# Altium PCB Copy of GameBoard_V1I1_083018.PcbDoc (part 12 of 21) (continued)
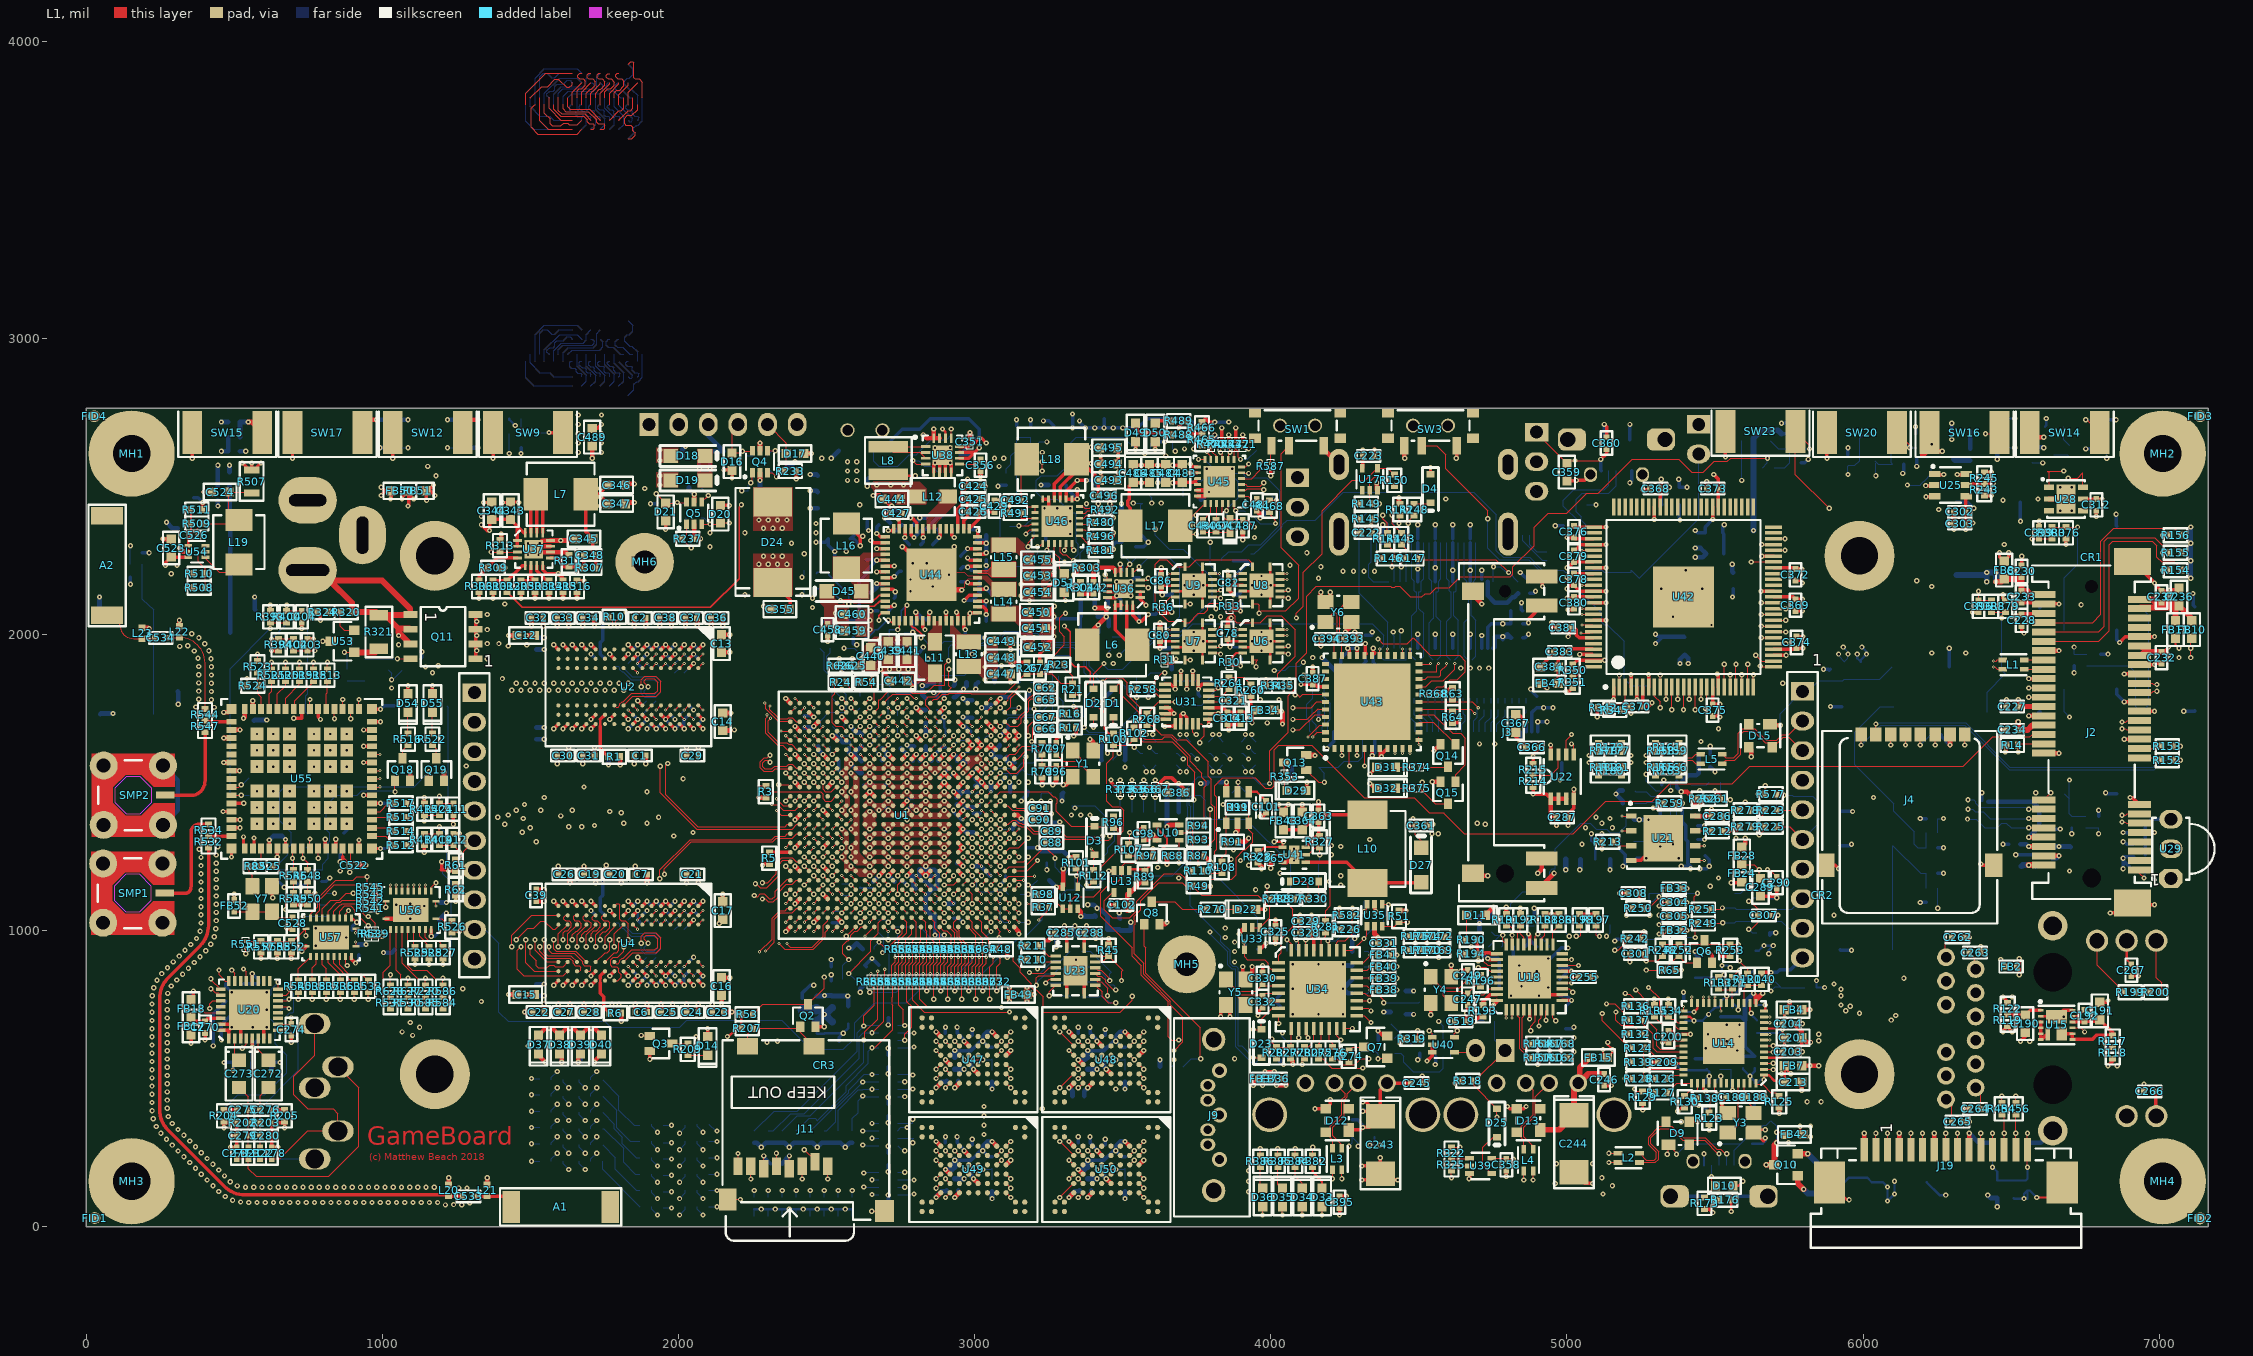
[diagram p0: L1 view]
## Nets (pads, with @x,y where several pads share a name; then routed paths per layer and width w, separated by ;. In a path a pad name is that pad's centre, name@x,y a point inside that pad or via, vN(x,y) a via of type N, cw(c..) or ccw(c..) an arc to the next point about the centre after c; other vN are vias at no path point) (continued)
  L10 w3.66: 1716.54,1196.85 1681.1,1161.42 1681.1,1149.61 1688.98,1141.73 1688.98,1125.99 1677.17,1114.17 1665.36,1114.17 1657.48,1106.3 1657.48,1090.55 1665.36,1082.68 1673.23,1082.68 1680.68,1075.22 1680.68,1043.31 1720.47,1003.52 v2(1720.47,944.88)
  L10 w3.94: 1716.54,1196.85 1716.54,1232.28 1723.86,1239.61 1735.67,1239.61 1744.09,1248.03 1744.09,1263.78 1751.97,1271.65 1771.65,1271.65 1779.53,1279.53 1779.53,1303.15 1787.4,1311.02 1807.09,1311.02 1818.9,1322.83 1818.9,1334.65 1796.64,1356.91 1796.64,1367.5 1807.09,1377.95 v2(1807.09,1397.64)
  L2 w3.94: v3(2456.69,1311.02) v4(2468.5,1299.21)
  other v2: 1720.47,1811.02
DRVSTR: R342.2 R345.2 U42.3 | length 113.3
  L1 w3.94: R345.2@5141.73,1744.09 5141.73,1746.06 5160.43,1764.76 5182.09,1764.76 5196.85,1779.53 U42.3@5196.85,1821.85
DSEL: R471.1 TP46.1 U45.24 | length 345.3
  L1 w3.94: U45.24@3875.98,2440.94 3875.98,2423.23 v1(3881.89,2417.32) ; R471.1@3905.51,2631.3 3910.83,2625.98 v1(3925.2,2625.98)
  L10 w3.94: v1(3881.89,2417.32) 3881.89,2464.57 3850.39,2496.06 3850.39,2570.87 3905.51,2625.98 v1(3925.2,2625.98)
  L12 w3.94: v1(3881.89,2417.32) 3909.45,2417.32 TP46.1@3913.39,2413.39
EEPROM_WP: R214.1 R215.1 U22.7 | length 140.9
  L1 w3.94: R214.1@4885.83,1523.62 4944.88,1523.62 4971.46,1550.2 U22.7@4971.46,1594.49
EN_1V8WIFI: R508.2 R510.2 U54.5 | length 152.4
  L1 w3.94: R508.2@401.58,2157.48 R510.2@401.58,2204.72 401.58,2220.47 377.95,2244.09 377.95,2271.65 385.83,2279.53 U54.5@403.15,2279.53
EN_1V375: R299.1 R301.1 U36.5 | length 623
  L1 w3.94: U36.5@3531.5,2204.72 v1(3555.12,2228.35)
  L12 w3.94: R301.1@3464.57,1992.13 R299.1@3511.81,1992.13 3576.77,1992.13 3608.27,2023.62 3657.48,2023.62 3692.91,2059.06 3692.91,2223.22 3656.96,2259.17 3585.94,2259.17 v1(3555.12,2228.35) v1@3559.06,2228.35
EN_3V3_HDR: R310.2 R312.1 U37.5 | length 129.3
  L1 w11.81: R310.2@1374.02,2181.1 R312.1@1421.26,2181.1 1472.05,2231.89 U37.5@1482.28,2231.89
ENET_LED_LINK: J8.13 R120.2 | length 2028.3
  L1 w3.66: v1(5582.68,897.64) 5582.68,896.64 5610.24,869.08 R120.2@5610.24,854.33
  L10 w3.66: v1(5582.68,897.64) 5566.93,881.89 5566.93,838.58 5590.55,814.96 5590.55,743.97 5607.42,727.1 5607.42,714.41 5618.11,703.73 5618.11,644.6 5590.83,617.32 5590.83,555.39 5574.8,539.37 5564.06,539.37 5559.61,534.92 5559.61,495.51 5720.47,334.65 5745.09,334.65 5827.62,252.12 5827.62,248.25 5835.44,240.43 5854.06,240.43 5877.95,216.54 6733.28,216.54 J8.13@6890.04,373.29
ENET_LED_RX: R121.2 R199.2 R200.2 | length 2570
  L1 w3.66: R121.2@5559.06,842.52 v1(5582.68,866.14) ; R199.2@6921.26,791.34 v1(6944.88,791.34) R200.2@6968.5,791.34
  L10 w3.66: v1(5582.68,866.14) 5649.61,799.21 5649.61,796.27 5646.79,793.46 5646.79,761.66 5649.61,758.84 5649.61,665.35 5598.43,614.17 5598.43,547.8 5574.8,524.17 5574.8,500 5606.3,468.5 5618.11,468.5 5650.73,435.89 5650.73,434.89 5663.23,422.38 5664.23,422.38 5701.91,384.7 5701.91,375.83 5710.48,367.26 5723.22,367.26 5835.22,255.27 5835.22,251.4 5838.58,248.03 6724.41,248.03 6807.09,330.71 6807.09,523.62 6704.72,625.98 6704.72,688.98 6807.09,791.34 v1(6944.88,791.34)
ENET_LED_RX_G: J8.17 R200.1 | length 181.3
  L1 w3.66: J8.17@6990.04,965.29 6990.04,840.67 7007.87,822.83 R200.1@7007.87,791.34
ENET_LED_RX_O: J8.15 R199.1 | length 212
  L1 w3.66: J8.15@6790.04,965.29 6790.04,883.19 R199.1@6881.89,791.34
ENET_REF_CLK: R123.2 U1.V22 | length 4370.6
  L1 w3.66: v2(2582.68,1090.55) U1.V22@2598.43,1106.3
  L1 w3.94: v1(5480.31,326.77) R123.2@5480.31,346.46 5480.31,350.39 R123.2@5484.25,354.33
  L3 w3.94: v2(2582.68,1090.55) 2582.68,1098.31 2589.57,1105.2 2589.57,1108.06 2597.44,1115.93 2597.44,1116.1 2610.24,1128.89 2610.24,1147.58 2622.05,1159.39 2622.05,1182.3 2639.55,1199.8 2649.82,1199.8 2660.43,1210.42 2660.43,1220.68 2704.51,1264.76 2714.78,1264.76 2732.28,1282.27 2732.28,1311.02 ; 2732.28,1311.02 2756.89,1335.63 2756.89,1348.64 2767.51,1359.25 2809.26,1359.25 2830.92,1380.91 2848.54,1380.91 2866,1398.37 2866,1470.33 2878.94,1483.27 2903.75,1483.27 2906.11,1480.91 2913.98,1480.91 2947.84,1514.76 3030.51,1514.76 3039.37,1523.62 3039.37,1536.63 3049.99,1547.24 3094.49,1547.24 3110.24,1531.5 3152.84,1531.5 3160.71,1523.62 3199.44,1523.62 3207.31,1515.75 3328.53,1515.75 3379.71,1464.57 3413.95,1464.57 3429.42,1449.09 3449.09,1449.09 3496.61,1401.57 3692.91,1401.57 3723.43,1371.06 3843.2,1371.06 3855.01,1382.87 3946.64,1382.87 3958.45,1371.06 3970.68,1371.06 3982.77,1383.15 4062.6,1383.15 4071.46,1374.29 4412.39,1374.29 4439.67,1401.57 4543.31,1401.57 4629.92,1314.96 4830.71,1314.96 4846.46,1330.71 5039.37,1330.71 5048.23,1339.57 5048.23,1352.57 5056.88,1361.22 5069.11,1361.22 5083.87,1346.46 v1(5153.54,1346.46)
  L10 w3.94: v1(5153.54,1346.46) 5153.54,1228.86 5168.31,1214.1 5168.31,1210.84 5186.23,1192.91 5319.57,1192.91 5343.2,1169.29 5358.27,1169.29 5358.27,783.98 5365.16,777.09 5365.16,758.34 5358.27,751.45 5358.27,617.44 5401.97,573.73 5401.97,567.21 5397.36,562.6 5397.36,561.92 5418.95,540.33 5418.95,517.38 5444.21,492.13 5468.5,492.13 5479.33,481.3 5479.33,447.62 5472.44,440.74 5472.44,343.71 5484.25,331.9 5480.31,327.97 v1(5480.31,326.77)
ENET_REF_CLK_R: R123.1 R138.2 U14.41 | length 97.1
  L1 w3.94: R123.1@5484.25,393.7 5484.25,437.01 5500,452.76 U14.41@5500,484.25
ETH_ISET: R125.1 U14.48 | length 96.7
  L1 w3.94: U14.48@5637.8,484.25 5641.73,480.32 5661.42,480.32 5688.98,452.76 5704.72,452.76 R125.1@5716.54,440.94
ETH_OSCI_25MHz: C188.1 U14.46 Y3.3 | length 109.5
  L1 w3.94: U14.46@5598.43,484.25 5598.43,460.63 5606.3,452.76 5606.3,440.94 5606.3,425.2 5629.92,401.57 Y3.3@5629.92,387.8
ETH_OSCO_25MHz: C189.1 U14.45 Y3.1 | length 186.1
  L1 w3.94: Y3.1@5543.31,320.87 5557.09,320.87 5578.74,342.52 C189.1@5578.74,437.01 5578.74,456.69 U14.45@5578.74,484.25
F_VIN: C363.1 C364.1 FB43.1 L10.1 R327.2 U41.6 | length 416
  L1 w11.81: FB43.1@4043.31,1340.55 C364.1@4106.3,1340.55 4131.89,1366.14 C363.1@4161.42,1366.14 ; U41.6@4117.91,1281.5 4155.32,1318.9 R327.2@4165.35,1318.9 4161.42,1322.83 C363.1@4161.42,1366.14 ; L10.1@4326.77,1390.59 4185.87,1390.59 C363.1@4161.42,1366.14
FB_1V8WIFI: C526.2 R509.1 R511.2 U54.1 | length 126
  L1 w7.87: U54.1@344.88,2299.21 344.88,2325.2 C526.2@354.33,2334.65 R509.1@354.33,2374.02 R511.2@354.33,2421.26
FB_1V375: C341.1 R296.1 R300.2 U36.9 | length 157.9
  L1 w3.94: v1(3440.94,2200.79) 3448.43,2193.31 U36.9@3448.43,2183.07
  L12 w3.94: R300.2@3358.27,2157.48 C341.1@3448.82,2157.48 3440.94,2165.35 v1(3440.94,2200.79)
FB_3V3_HDR: C348.1 R307.1 R311.2 U37.9 | length 170.9
  L1 w11.81: U37.9@1567.32,2257.87 1584.65,2257.87 1614.17,2228.35 R311.2@1629.92,2228.35 1677.17,2228.35 R307.1@1681.1,2224.41 C348.1@1681.1,2267.72
FIL_HP_OUTL: C278.1 FB22.2 J10.2 J10.4 | length 806.2
  L1 w3.94: FB22.2@587.52,228.5 653.7,228.5 748.03,322.83 J10.2@850.39,322.83 850.39,381.89 834.65,397.64 748.03,397.64 700.79,444.88 700.79,507.87 771.65,578.74 J10.4@771.65,685.04
FIL_HP_OUTR: C277.1 FB21.2 J10.3 | length 795.5
  L1 w3.94: C277.1@508.78,228.5 FB21.2@548.15,228.5 548.15,195.94 574.8,169.29 818.9,169.29 921.26,271.65 921.26,468.5 J10.3@850.39,539.37
FIL_MIC_IN: C283.1 FB23.2 J10.1 | length 263.8
  L12 w3.94: C283.1@507.87,228.35 FB23.2@547.24,228.35 J10.1@771.65,228.35
FLASH_ALE: U1.A16 U47.C4 U48.C4 U49.C4 U50.C4 | length 2619.3
  L1 w3.66: U49.C4@3106.3,240.16 v2(3122.05,255.91) ; U47.C4@3106.3,610.24 v2(3122.05,625.98) ; U1.A16@3133.86,1295.28 v2(3149.61,1311.02) ; U50.C4@3555.12,240.16 v2(3570.87,255.91) ; U48.C4@3555.12,610.24 v2(3570.87,625.98)
  L3 w3.66: v2(3122.05,255.91) 3201.06,334.92 3502.6,334.92 3555.12,282.4 3555.12,271.65 v2(3570.87,255.91) ; v2(3122.05,625.98) 3201.06,705 3502.6,705 3555.12,652.48 3555.12,641.73 v2(3570.87,625.98)
  L10 w3.66: v2(3122.05,255.91) 3196.85,330.71 3196.85,578.74 3149.61,625.98 v2(3122.05,625.98) ; v2(3149.61,1311.02) 3164.23,1296.4 3187.16,1296.4 3192.72,1301.95 3192.78,1301.89 3200.25,1309.35 3224.95,1309.35 3238.47,1295.83 3326.96,1295.83 3415.33,1207.45 3415.33,1185.29 3503.94,1096.68 3503.94,1007.87 3518.29,993.52 3518.29,783.76 3517.99,783.46 3517.99,771.35 3530.1,759.24 3530.1,646.13 3523.62,639.65 3523.62,621.05 3533.31,611.36 3554,611.36 3554,619.93 3560.05,625.98 v2(3570.87,625.98)
FLASH_CLE: U1.C15 U47.D5 U48.D5 U49.D5 U50.D5 | length 2857.6
  L1 w3.66: U1.C15@3070.87,1326.77 v2(3086.61,1311.02) ; U49.D5@3074.8,208.66 v2(3090.55,224.41) ; U47.D5@3074.8,578.74 v2(3090.55,594.49) ; U50.D5@3523.62,208.66 v2(3539.37,224.41) ; U48.D5@3523.62,578.74 v2(3539.37,562.99)
  L3 w3.66: v2(3090.55,224.41) 3105.18,209.78 3128.11,209.78 3238.05,319.72 3456.99,319.72 3493.25,283.46 3493.25,270.53 v2(3539.37,224.41) ; v2(3090.55,594.49) 3105.18,579.86 3128.11,579.86 3238.05,689.8 3456.99,689.8 3493.25,653.54 3493.25,609.11 v2(3539.37,562.99)
  L10 w3.66: v2(3086.61,1311.02) 3102.36,1326.77 3189.39,1326.77 3192.78,1323.38 3193.95,1324.55 3231.25,1324.55 3244.77,1311.02 3333.26,1311.02 3409.77,1234.51 3430.53,1213.75 3430.53,1191.58 3443.55,1178.56 3454.65,1178.56 3558.78,1074.43 3558.78,1055.39 3559.06,1055.12 3559.06,669.17 3556.24,666.35 3556.24,651.42 3559.06,648.61 3559.06,645.67 3562.99,641.73 3582.68,641.73 3590.55,633.86 3590.55,570.87 3582.68,562.99 v2(3539.37,562.99) ; v2(3090.55,224.41) 3083.52,231.44 3083.52,242.25 3077.49,248.28 3075.93,249.85 3075.93,261.96 3084.49,270.53 3099.82,285.86 3099.82,296.61 3108.39,305.17 3108.39,315.99 3117.83,325.43 3117.83,365.87 3157.48,405.51 3157.48,527.56 v2(3090.55,594.49)
FLASH_CS0: U1.F15 U47.C6 | length 1162.1
  L1 w3.66: U1.F15@2976.38,1326.77 v2(2992.13,1311.02) ; U47.C6@3106.3,547.24 v2(3122.05,531.5)
  L10 w3.66: v2(2992.13,1311.02) 2985.13,1304.03 2982.88,1304.03 2974.13,1295.28 2953.74,1295.28 2946,1287.54 2946,1270.53 2952.76,1263.78 2972.44,1263.78 2977.5,1258.72 2977.5,1241.97 2988.19,1231.29 3016.75,1231.29 3070.87,1177.17 3103.75,1177.17 3104.58,1177.99 3174.92,1177.99 3184.51,1168.41 3186.92,1168.41 3195.73,1159.6 3195.73,1138.85 3208.94,1125.64 3208.94,1105.07 3232.28,1081.73 3232.28,976.31 3221.87,965.9 3221.87,931.74 3226.63,926.98 3226.63,921.68 3152.87,847.91 3152.87,821.16 3125.98,794.28 3125.98,778.53 3133.86,770.65 3133.86,692.91 3074.8,633.86 3074.8,588.33 3106.16,556.97 3106.16,549.19 3109.68,545.66 3109.68,543.86 v2(3122.05,531.5)
FLASH_CS1: U1.C16 U48.C6 | length 1215.2
  L1 w3.66: v2(3055.12,1279.53) U1.C16@3070.87,1295.28 ; U48.C6@3555.12,547.24 v2(3570.87,531.5)
  L10 w3.66: v2(3055.12,1279.53) 3070.87,1295.28 3114.17,1295.28 3129.92,1279.53 3191.91,1279.53 3206.54,1294.15 3218.66,1294.15 3219.34,1293.47 3232.18,1280.63 3320.67,1280.63 3400.14,1201.16 3400.14,1178.99 3437.01,1142.12 3437.01,1053.31 3476.38,1013.94 3476.38,822.83 3492.13,807.09 3492.13,641.67 3508.15,625.64 3508.15,546.97 3523.62,531.5 v2(3570.87,531.5)
FLASH_CS2: U1.A17 U49.C6 | length 1658.9
  L1 w3.66: U49.C6@3106.3,177.17 v2(3122.05,161.42) ; U1.A17@3133.86,1263.78 v2(3149.61,1248.03)
  L3 w3.66: v2(3228.35,397.64) 3262.68,431.97 3443.78,431.97 v2(3476.38,464.57)
  L10 w3.66: v2(3122.05,161.42) 3228.35,267.72 v2(3228.35,397.64) ; v2(3149.61,1248.03) 3165.35,1263.78 3190.04,1263.78 3201.85,1251.97 3235.09,1251.97 3245.5,1262.38 3283.86,1262.38 3312.84,1233.41 3327.55,1233.41 3366.71,1194.24 3366.71,1165.8 3355.73,1154.81 3355.73,1092.09 3425.2,1022.62 3425.2,746.74 3464.57,707.37 3464.57,653.54 3448.82,637.8 3448.82,548.24 3476.38,520.68 v2(3476.38,464.57)
FLASH_CS3: U1.D16 U50.C6 | length 1731.8
  L1 w3.66: U1.D16@3039.37,1295.28 v2(3055.12,1311.02) ; U50.C6@3555.12,177.16 v2(3570.87,161.42)
  L10 w3.66: v2(3055.12,1311.02) 3061.8,1317.7 3061.8,1320.58 3070.87,1329.64 3070.87,1349 3079.86,1357.99 3091.7,1357.99 3092.54,1357.15 3092.67,1357.15 3101.24,1348.58 3101.24,1348.45 3107.03,1342.66 3195,1342.66 3197.91,1339.74 3237.54,1339.74 3250.51,1326.77 3366.14,1326.77 3586.61,1106.3 3586.61,739.29 3614.17,711.73 3614.17,571.87 3611.36,569.05 3611.36,536.56 3593.09,518.29 3593.09,459.23 3522.5,388.64 3522.5,281.34 3519.68,278.53 3519.68,208.66 3566.93,161.42 v2(3570.87,161.42)
FLASH_DATA0: U1.A18 U47.H4 U48.H4 U49.H4 U50.H4 | length 2480.1
  L1 w3.66: v2(2933.07,255.91) U49.H4@2948.82,240.16 ; v2(2933.07,625.98) U47.H4@2948.82,610.24 ; U1.A18@3133.86,1232.28 3165.35,1232.28 v2(3181.1,1248.03) ; v2(3381.89,255.91) U50.H4@3397.64,240.16 ; v2(3381.89,625.98) U48.H4@3397.64,610.24
  L3 w3.66: v2(2933.07,255.91) 2952.76,275.59 3027.56,275.59 3032.62,270.53 3033.62,270.53 3042.18,261.96 3042.18,260.96 3066.93,236.22 3066.93,216.54 3086.61,196.85 3137.8,196.85 3248.03,307.09 3325.77,307.09 3376.95,255.91 v2(3381.89,255.91) ; v2(2933.07,625.98) 2952.76,645.67 3027.56,645.67 3032.62,640.61 3033.62,640.61 3042.18,632.04 3042.18,631.04 3066.93,606.3 3066.93,586.61 3086.61,566.93 3137.8,566.93 3248.03,677.17 3325.77,677.17 3376.95,625.98 v2(3381.89,625.98)
  L10 w3.66: v2(2933.07,255.91) 2933.07,271.65 2925.2,279.53 2925.2,381.89 2988.19,444.88 2988.19,472.44 2940.95,519.68 2940.95,581.68 2947.7,588.43 2947.7,611.36 v2(2933.07,625.98) ; v2(3181.1,1248.03) 3189.8,1239.33 3190.54,1239.33 3197.97,1231.9 3197.97,1230.16 3206.54,1221.59 3208.96,1221.59 3209.19,1221.36 3224.85,1221.36 3230.44,1226.95 3257.37,1226.95 3275.66,1208.66 3276.71,1208.66 3340.02,1145.35 3340.02,1086.18 3392.58,1033.62 3392.58,1009.69 3381.89,999 3381.89,716.54 3405.51,692.91 3405.51,649.61 v2(3381.89,625.98)
FLASH_DATA1: U1.C17 U47.J4 U48.J4 U49.J4 U50.J4 | length 2428.6
  L1 w3.66: v2(2901.57,255.91) U49.J4@2917.32,240.16 ; v2(2901.58,625.98) U47.J4@2917.32,610.24 ; U1.C17@3070.87,1263.78 v2(3086.61,1248.03) ; v2(3350.39,255.91) U50.J4@3366.14,240.16 ; v2(3350.39,625.98) U48.J4@3366.14,610.24
  L3 w3.66: v2(2901.57,255.91) 2901.58,232.28 2925.2,208.66 2940.94,208.66 2952.76,220.47 3027.56,220.47 3070.87,177.17 3149.61,177.17 3228.35,255.91 v2(3350.39,255.91) ; v2(2901.58,625.98) 2901.58,602.36 2925.2,578.74 2940.94,578.74 2952.76,590.55 3027.56,590.55 3070.87,547.24 3149.61,547.24 3228.35,625.98 v2(3350.39,625.98)
  L10 w3.66: v2(2901.57,255.91) 2901.57,282.47 2916.2,297.09 2916.2,388.64 2948.82,421.26 2948.82,430.2 2964.57,445.95 2964.57,484.25 2933.07,515.75 2933.07,573.74 2917.32,589.49 2917.32,610.24 v2(2901.58,625.98) ; v2(3086.61,1248.03) 3110.51,1224.13 3182.51,1224.13 3200.25,1206.4 3202.66,1206.4 3202.9,1206.16 3221.97,1206.16 3238.04,1190.1 3250.15,1190.1 3250.76,1190.7 3273.18,1190.7 3305.41,1158.47 3305.41,1086.23 3322.83,1068.81 3322.83,732.28 3365.02,690.1 3365.02,652.42 3350.39,637.8 v2(3350.39,625.98)
FLASH_DATA2: U1.F16 U47.K4 U48.K4 U49.K4 U50.K4 | length 2500.7
  L1 w3.66: v2(2870.08,255.91) U49.K4@2885.83,240.16 ; v2(2870.08,625.98) U47.K4@2885.83,610.24 ; U1.F16@2976.38,1295.28 v2(2992.13,1279.53) ; v2(3287.4,287.4) U50.K4@3334.65,240.16 ; v2(3287.4,657.48) U48.K4@3334.65,610.24
  L3 w3.66: v2(2870.08,255.91) 2889.76,275.59 2905.51,275.59 2917.32,263.78 2917.32,250.97 2927.01,241.28 3022.5,241.28 3074.8,188.98 3145.67,188.98 3244.09,287.4 v2(3287.4,287.4) ; v2(2870.08,625.98) 2877.11,633.01 2877.43,633.01 2890.09,645.67 2905.51,645.67 2917.32,633.86 2917.32,621.05 2927.01,611.36 3022.5,611.36 3074.8,559.06 3145.67,559.06 3244.09,657.48 v2(3287.4,657.48)
  L10 w3.66: v2(2870.08,255.91) 2872.32,255.91 2886.95,270.53 2886.95,379.07 2956.69,448.82 2956.69,480.32 2925.2,511.81 2925.2,570.87 v2(2870.08,625.98) ; v2(2992.13,1279.53) 3007.88,1263.78 3028.63,1263.78 3036.22,1256.18 3039.09,1256.18 3039.37,1255.91 3039.37,1230.15 3076.89,1192.64 3097.73,1192.64 3098.28,1193.19 3181.22,1193.19 3190.8,1183.6 3193.22,1183.6 3193.46,1183.37 3212.53,1183.37 3236.5,1159.4 3236.5,1122.91 3273.33,1086.08 3273.33,992.58 3290.22,975.69 3290.22,938.82 3284.02,932.62 3284.02,660.87 v2(3287.4,657.48)
FLASH_DATA3: U1.D17 U47.K5 U48.K5 U49.K5 U50.K5 | length 2442.9
  L1 w3.66: v2(2870.08,224.41) U49.K5@2885.83,208.66 ; v2(2870.08,594.49) U47.K5@2885.83,578.74 ; U1.D17@3039.37,1263.78 v2(3055.12,1248.03) ; v2(3318.9,224.41) U50.K5@3334.65,208.66 ; v2(3318.9,594.49) U48.K5@3334.65,578.74
  L3 w3.66: v2(2870.08,224.41) 2890.76,224.41 2938.01,177.17 3039.37,177.17 3070.87,145.67 3145.67,145.67 3224.41,224.41 v2(3318.9,224.41) ; v2(2870.08,594.49) 2890.76,594.49 2938.01,547.24 3050.79,547.24 3082.29,515.75 3145.67,515.75 3224.41,594.49 v2(3318.9,594.49)
  L10 w3.66: v2(2870.08,224.41) 2854.33,240.16 2854.33,295.6 2879.35,320.62 2879.35,382.22 2884.72,387.6 2884.72,388.66 2948.82,452.76 2948.82,476.38 2917.32,507.87 2917.32,567.99 2890.83,594.49 v2(2870.08,594.49) ; v2(3055.12,1248.03) 3071.99,1231.16 3071.99,1208.28 3079.48,1200.79 3184.36,1200.79 3193.95,1191.2 3196.37,1191.2 3196.6,1190.96 3215.68,1190.96 3244.09,1162.55 3244.09,1128.25 3280.93,1091.42 3280.93,995.73 3298.94,977.72 3298.94,936.8 3291.61,929.48 3291.61,684.76 3304.27,672.11 3304.27,609.11 v2(3318.9,594.49)
FLASH_DATA4: U1.A19 U47.K6 U48.K6 U49.K6 U50.K6 | length 2555.6
  L1 w3.66: v2(2870.08,161.42) U49.K6@2885.83,177.17 ; v2(2870.08,531.5) U47.K6@2885.83,547.24 ; U1.A19@3133.86,1200.79 3177.17,1200.79 v2(3212.6,1236.22) ; v2(3318.9,161.42) U50.K6@3334.65,177.17 ; U48.K6@3334.65,547.24 v2(3350.39,531.5)
  L3 w3.66: v2(2870.08,161.42) 2893.7,137.8 3055.12,137.8 3110.24,82.68 3141.73,82.68 3220.47,161.42 v2(3318.9,161.42) ; v2(2870.08,531.5) 2893.7,507.87 2919.45,507.87 2919.69,508.11 3060.62,508.11 3090.83,477.91 3090.83,461.42 3111.3,440.94 3192.91,440.94 3283.46,531.5 v2(3350.39,531.5)
  L10 w3.66: v2(2870.08,161.42) 2858.27,173.23 2858.27,183.23 2830.71,210.79 2830.71,304.21 2856.56,330.06 2856.56,391.66 2858.27,393.38 2858.27,429.13 2885.83,456.69 2885.83,515.75 v2(2870.08,531.5) ; v2(3212.6,1236.22) 3258.84,1236.22 3269.26,1225.81 3302.75,1225.81 3329.86,1198.7 3329.86,1178.98 3347.62,1161.23 3347.62,1089.46 3400.18,1036.9 3400.18,1006.54 3394.82,1001.19 3394.82,719.35 3417.32,696.85 3417.32,657.48 3429.13,645.67 3429.13,610.24 v2(3350.39,531.5)
FLASH_DATA5: U1.B18 U47.J7 U48.J7 U49.J7 U50.J7 | length 2595.2
  L1 w3.66: v2(2901.57,161.42) U49.J7@2917.32,145.67 ; v2(2901.57,531.5) U47.J7@2917.32,515.75 ; U1.B18@3102.36,1232.28 v2(3118.11,1248.03) ; v2(3350.39,161.42) U50.J7@3366.14,145.67 ; v2(3350.39,500) U48.J7@3366.14,515.75
  L3 w3.66: v2(2901.57,161.42) 2916.2,146.79 3050.06,146.79 3051.46,145.39 3058.27,145.39 3089.49,114.17 3141.73,114.17 3212.6,185.04 3326.77,185.04 v2(3350.39,161.42) ; v2(2901.57,531.5) 2916.2,516.87 3062.61,516.87 3098.43,481.06 3098.43,464.57 3114.17,448.82 3161.42,448.82 3267.72,555.12 3326.77,555.12 3334.65,547.24 3355.33,547.24 3366.14,536.43 3366.14,515.75 v2(3350.39,500)
  L10 w3.66: v2(2901.57,161.42) 2846.46,216.54 2846.46,298.47 2871.75,323.77 2871.75,385.37 2877.13,390.74 2877.13,408.62 2917.32,448.82 2917.32,492.13 2901.57,507.87 v2(2901.57,531.5) ; v2(3118.11,1248.03) 3133.86,1232.28 3174.29,1232.28 3174.84,1231.73 3187.4,1231.73 3190.37,1228.76 3190.37,1227.02 3203.39,1214 3205.81,1214 3206.04,1213.76 3232.45,1213.76 3238.04,1219.35 3254.22,1219.35 3275.03,1198.54 3276.09,1198.54 3322.26,1152.36 3322.26,1083.18 3342.52,1062.93 3342.52,1032.5 3357.15,1017.87 3357.15,713.72 3373.02,697.85 3373.02,640.61 3367.26,634.86 3367.26,603.36 3335.77,571.87 3335.77,514.63 v2(3350.39,500)
FLASH_DATA6: U1.E17 U47.K7 U48.K7 U49.K7 U50.K7 | length 2640.1
  L1 w3.66: v1(2870.08,129.92) U49.K7@2885.83,145.67 ; v2(2870.08,500) U47.K7@2885.83,515.75 ; U1.E17@3007.87,1263.78 v2(3023.62,1248.03) ; v2(3287.4,98.43) U50.K7@3334.65,145.67 ; v2(3287.4,468.5) U48.K7@3334.65,515.75
  L3 w3.66: v1(2870.08,129.92) 2901.57,129.92 2917.32,114.17 2917.32,82.68 2925.47,74.53 3318.62,74.53 3334.65,90.55 3334.65,110.24 3326.77,118.11 3307.09,118.11 v2(3287.4,98.43) ; v2(2870.08,500) 2922.33,500 2922.84,500.51 3057.48,500.51 3083.23,474.76 3083.23,458.27 3108.15,433.35 3196.06,433.35 3238.82,476.1 3275.92,476.1 3280.37,471.65 3280.37,465.59 3282.43,463.53 v2(3287.4,468.5)
  L10 w3.66: v1(2870.08,129.92) 2847.52,152.48 2847.52,173.23 2823.11,197.64 2823.11,212.32 2822.83,212.6 2822.83,307.09 2840.55,324.8 2840.55,438.98 2854.33,452.76 2854.33,484.25 v2(2870.08,500) ; v2(3023.62,1248.03) 3026.49,1245.16 3026.49,1232.28 3073.74,1185.04 3100.88,1185.04 3101.43,1185.59 3178.07,1185.59 3187.66,1176 3190.07,1176 3190.31,1175.77 3192.91,1175.77 3220.47,1148.21 3220.47,1119.09 3245.22,1094.35 3245.22,931.62 3266.59,910.24 3266.59,631.67 3263.78,628.86 3263.78,492.13 v2(3287.4,468.5)
FLASH_DATA7: U1.C18 U47.J8 U48.J8 U49.J8 U50.J8 | length 2761.7
  L1 w3.66: v2(2901.57,98.43) U49.J8@2917.32,114.17 ; v2(2901.57,468.5) U47.J8@2917.32,484.25 ; U1.C18@3070.87,1232.28 v2(3086.61,1216.54) ; v2(3350.39,98.43) U50.J8@3366.14,114.17 ; v2(3350.39,468.5) U48.J8@3366.14,484.25
  L3 w3.66: v2(2901.57,98.43) 2909.72,90.28 2909.72,79.53 2922.32,66.93 3325.71,66.93 3329.64,62.99 3452.76,62.99 3472.44,82.68 3472.44,94.49 3453.88,113.05 3375.83,113.05 3361.21,98.43 v2(3350.39,98.43) ; v2(2901.57,468.5) 2925.99,492.92 3054.33,492.92 3075.63,471.61 3075.63,455.12 3105.01,425.75 3199.21,425.75 3241.96,468.5 3266.72,468.5 3281.34,453.88 3324.96,453.88 3339.58,468.5 v2(3350.39,468.5)
  L10 w3.66: v2(2901.57,98.43) 2885.83,114.17 2885.83,166.42 2838.58,213.66 2838.58,301.34 2864.15,326.91 2864.15,388.52 2869.53,393.89 2869.53,429.65 2893.43,453.55 2893.43,460.35 v2(2901.57,468.5) ; v2(3086.61,1216.54) 3179.36,1216.54 3197.1,1198.8 3199.51,1198.8 3199.75,1198.56 3218.83,1198.56 3234.89,1182.5 3253.3,1182.5 3253.9,1183.1 3261.5,1183.1 3297.82,1146.79 3297.82,1077.01 3288.52,1067.72 3288.52,998.88 3311.02,976.38 3311.02,709.21 3334.65,685.59 3334.65,585.22 3327.56,578.13 3327.56,491.34 v2(3350.39,468.5)
FLASH_PT0: R497.1 R498.2 U47.G5 | length 126.3
  L1 w3.94: U47.G5@2980.31,578.74 2996.06,562.99 v2(3027.56,562.99)
  L12 w3.94: v2(3027.56,562.99) 3055.12,562.99 R497.1@3059.05,566.93 R498.2@3059.05,527.56
FLASH_PT1: R500.1 R501.2 U48.G5 | length 126.3
  L1 w3.94: U48.G5@3429.13,578.74 3444.88,562.99 v2(3476.38,562.99)
  L12 w3.94: v2(3476.38,562.99) 3503.94,562.99 R500.1@3507.87,566.93 R501.2@3507.87,527.56
FLASH_PT2: R502.1 R503.2 U49.G5 | length 126.3
  L1 w3.94: U49.G5@2980.31,208.66 2996.06,192.91 v2(3027.56,192.91)
  L12 w3.94: v2(3027.56,192.91) 3055.12,192.91 R502.1@3059.05,196.85 R503.2@3059.05,157.48
FLASH_PT3: R504.1 R505.2 U50.G5 | length 126.3
  L1 w3.94: U50.G5@3429.13,208.66 3444.88,192.91 v2(3476.38,192.91)
  L12 w3.94: v2(3476.38,192.91) 3503.94,192.91 R504.1@3507.87,196.85 R505.2@3507.87,157.48
FLASH_RB0: U1.B16 U47.C8 U48.C8 U49.C8 U50.C8 | length 2796.7
  L1 w3.66: U1.B16@3102.36,1295.28 v2(3118.11,1311.02) ; U49.C8@3106.3,114.17 v2(3122.05,98.43) ; U47.C8@3106.3,484.25 v2(3122.05,468.5) ; U50.C8@3555.12,114.17 v2(3570.87,98.43) ; U48.C8@3555.12,484.25 v2(3570.87,468.5)
  L3 w3.66: v2(3122.05,98.43) 3137.8,98.43 3215.41,176.04 3325.02,176.04 3334.65,166.42 3334.65,156.48 3344.34,146.79 3349.27,146.79 3358.27,137.8 3531.5,137.8 v2(3570.87,98.43) ; v2(3122.05,468.5) 3145.67,468.5 3240.16,562.99 3323.17,562.99 3337.79,577.62 3356.45,577.62 3393.7,540.37 3393.7,515.75 3421.26,488.19 3527.56,488.19 3547.24,468.5 v2(3570.87,468.5)
  L10 w3.66: v2(3118.11,1311.02) 3140.33,1288.8 3190.31,1288.8 3192.72,1291.21 3192.78,1291.14 3203.39,1301.75 3221.8,1301.75 3235.33,1288.23 3323.81,1288.23 3407.74,1204.31 3407.74,1182.14 3467.38,1122.49 3467.38,1033.68 3510.69,990.38 3510.69,786.91 3510.39,786.61 3510.39,693.78 3522.5,681.67 3522.5,651.42 3515.75,644.67 3515.75,562.99 3532.62,546.12 3576.92,546.12 3585.49,537.55 3585.49,483.13 v2(3570.87,468.5) ; v2(3122.05,98.43) 3066.93,153.54 3066.93,226.38 3060.73,232.58 3060.73,268.26 3062.29,269.82 3062.29,269.96 3073.68,281.34 3073.68,291.96 3073.75,292.02 3073.75,297.09 3090.55,313.9 3090.55,370.08 3122.05,401.57 v2(3122.05,468.5)
FLASH_RE_B: U1.B17 U47.D4 U48.D4 U49.D4 U50.D4 | length 2632
  L1 w3.66: U49.D4@3074.8,240.16 v2(3090.55,255.91) ; U47.D4@3074.8,610.24 v2(3090.55,625.98) ; U1.B17@3102.36,1263.78 3118.11,1279.53 3149.61,1279.53 v2(3181.1,1311.02) ; U50.D4@3523.62,240.16 v2(3539.37,255.91) ; U48.D4@3523.62,610.24 v2(3539.37,625.98)
  L3 w3.66: v2(3090.55,255.91) 3106.3,240.16 3133.86,240.16 3221.02,327.32 3491.57,327.32 3539.37,279.53 v2(3539.37,255.91) ; v2(3090.55,625.98) 3106.3,610.24 3133.86,610.24 3221.02,697.4 3491.57,697.4 3539.37,649.61 v2(3539.37,625.98)
  L10 w3.66: v2(3090.55,255.91) 3107.42,272.78 3107.42,293.46 3115.99,302.03 3115.99,312.84 3125.43,322.28 3125.43,362.72 3165.08,402.36 3165.08,530.71 3106.3,589.49 3106.3,602.36 3090.55,618.11 v2(3090.55,625.98) ; v2(3181.1,1311.02) 3191.04,1311.02 3192.72,1312.7 3192.78,1312.63 3197.1,1316.95 3228.1,1316.95 3235.46,1309.59 3241.62,1303.43 3330.11,1303.43 3422.93,1210.6 3422.93,1188.43 3440.4,1170.96 3451.5,1170.96 3551.18,1071.28 3551.18,743 3546.69,738.51 3546.69,673.23 3539.37,665.91 v2(3539.37,625.98) v2@3543.31,629.92
FLASH_WE_B: U1.E16 U47.C7 U48.C7 U49.C7 U50.C7 | length 2879.1
  L1 w3.66: U1.E16@3007.87,1295.28 v2(3023.62,1279.53) ; U49.C7@3106.3,145.67 v2(3122.05,129.92) ; U47.C7@3106.3,515.75 v2(3122.05,500) ; U50.C7@3555.12,145.67 v2(3570.87,129.92) ; U48.C7@3555.12,515.75 v2(3570.87,500)
  L3 w3.66: v2(3122.05,129.92) 3141.73,129.92 3220.47,208.66 3493.25,208.66 3570.87,131.04 v2(3570.87,129.92) ; v2(3122.05,500) 3141.73,500 3220.47,578.74 3328.17,578.74 3359.67,610.24 3461.75,610.24 3570.87,501.12 v2(3570.87,500)
  L10 w3.66: v2(3023.62,1279.53) 3039.37,1263.78 3125.98,1263.78 3133.86,1271.65 3192.91,1271.65 3202.8,1261.77 3220.47,1261.77 3231.73,1273.03 3317.52,1273.03 3374.31,1216.24 3374.31,1179.82 3393.7,1160.43 3393.7,1129.36 3429.41,1093.65 3429.41,1050.16 3467.38,1012.19 3467.38,886.56 3437.01,856.19 3437.01,817.9 3463.44,791.46 3463.44,773.47 3452.76,762.78 3452.76,751.97 3476.93,727.8 3476.93,650.16 3456.69,629.92 3456.69,551.18 3484.25,523.62 3547.24,523.62 v2(3570.87,500) ; v2(3122.05,129.92) 3075.93,176.04 3075.93,239.1 3069.89,245.14 3068.33,246.7 3068.33,265.11 3081.35,278.13 3081.35,293.94 3100.79,313.39 3100.79,319.13 3110.24,328.58 3110.24,370.08 3145.67,405.51 3145.67,476.38 v2(3122.05,500)
FLASH_WP_B: U1.E15 U47.C3 U48.C3 U49.C3 U50.C3 | length 2683.4
  L1 w3.66: U1.E15@3007.87,1326.77 v2(3023.62,1311.02) ; U49.C3@3106.3,271.65 v2(3122.05,287.4) ; U47.C3@3106.3,641.73 v2(3122.05,657.48) ; U50.C3@3555.12,271.65 v2(3570.87,287.4) ; U48.C3@3555.12,641.73 v2(3570.87,657.48)
  L3 w3.66: v2(3122.05,287.4) 3149.74,315.1 3156.75,315.1 3161.28,319.63 3161.28,326.04 3160.98,326.34 3177.17,342.52 3515.75,342.52 v2(3570.87,287.4) ; v2(3122.05,657.48) 3177.17,712.6 3515.75,712.6 v2(3570.87,657.48)
  L10 w3.66: v2(3023.62,1311.02) 3039.37,1295.28 3060.12,1295.28 3069.74,1304.9 3069.74,1317.43 3069.4,1317.43 3078.74,1326.77 3091.62,1326.77 3099.21,1334.37 3192.54,1334.37 3194.76,1332.15 3234.39,1332.15 3247.64,1318.9 3346.46,1318.9 3449.94,1215.41 3458.81,1215.41 3467.38,1206.85 3467.38,1190.1 3574.8,1082.68 3574.8,740.35 3590.83,724.33 3590.83,677.44 v2(3570.87,657.48) ; v2(3122.05,287.4) 3181.1,346.46 3181.1,562.99 3133.86,610.24 3114.17,610.24 3107.42,616.99 3107.42,642.85 v2(3122.05,657.48)